# KiCad board Encoder_I2C_AS5600_Panel.kicad_pcb (continued)
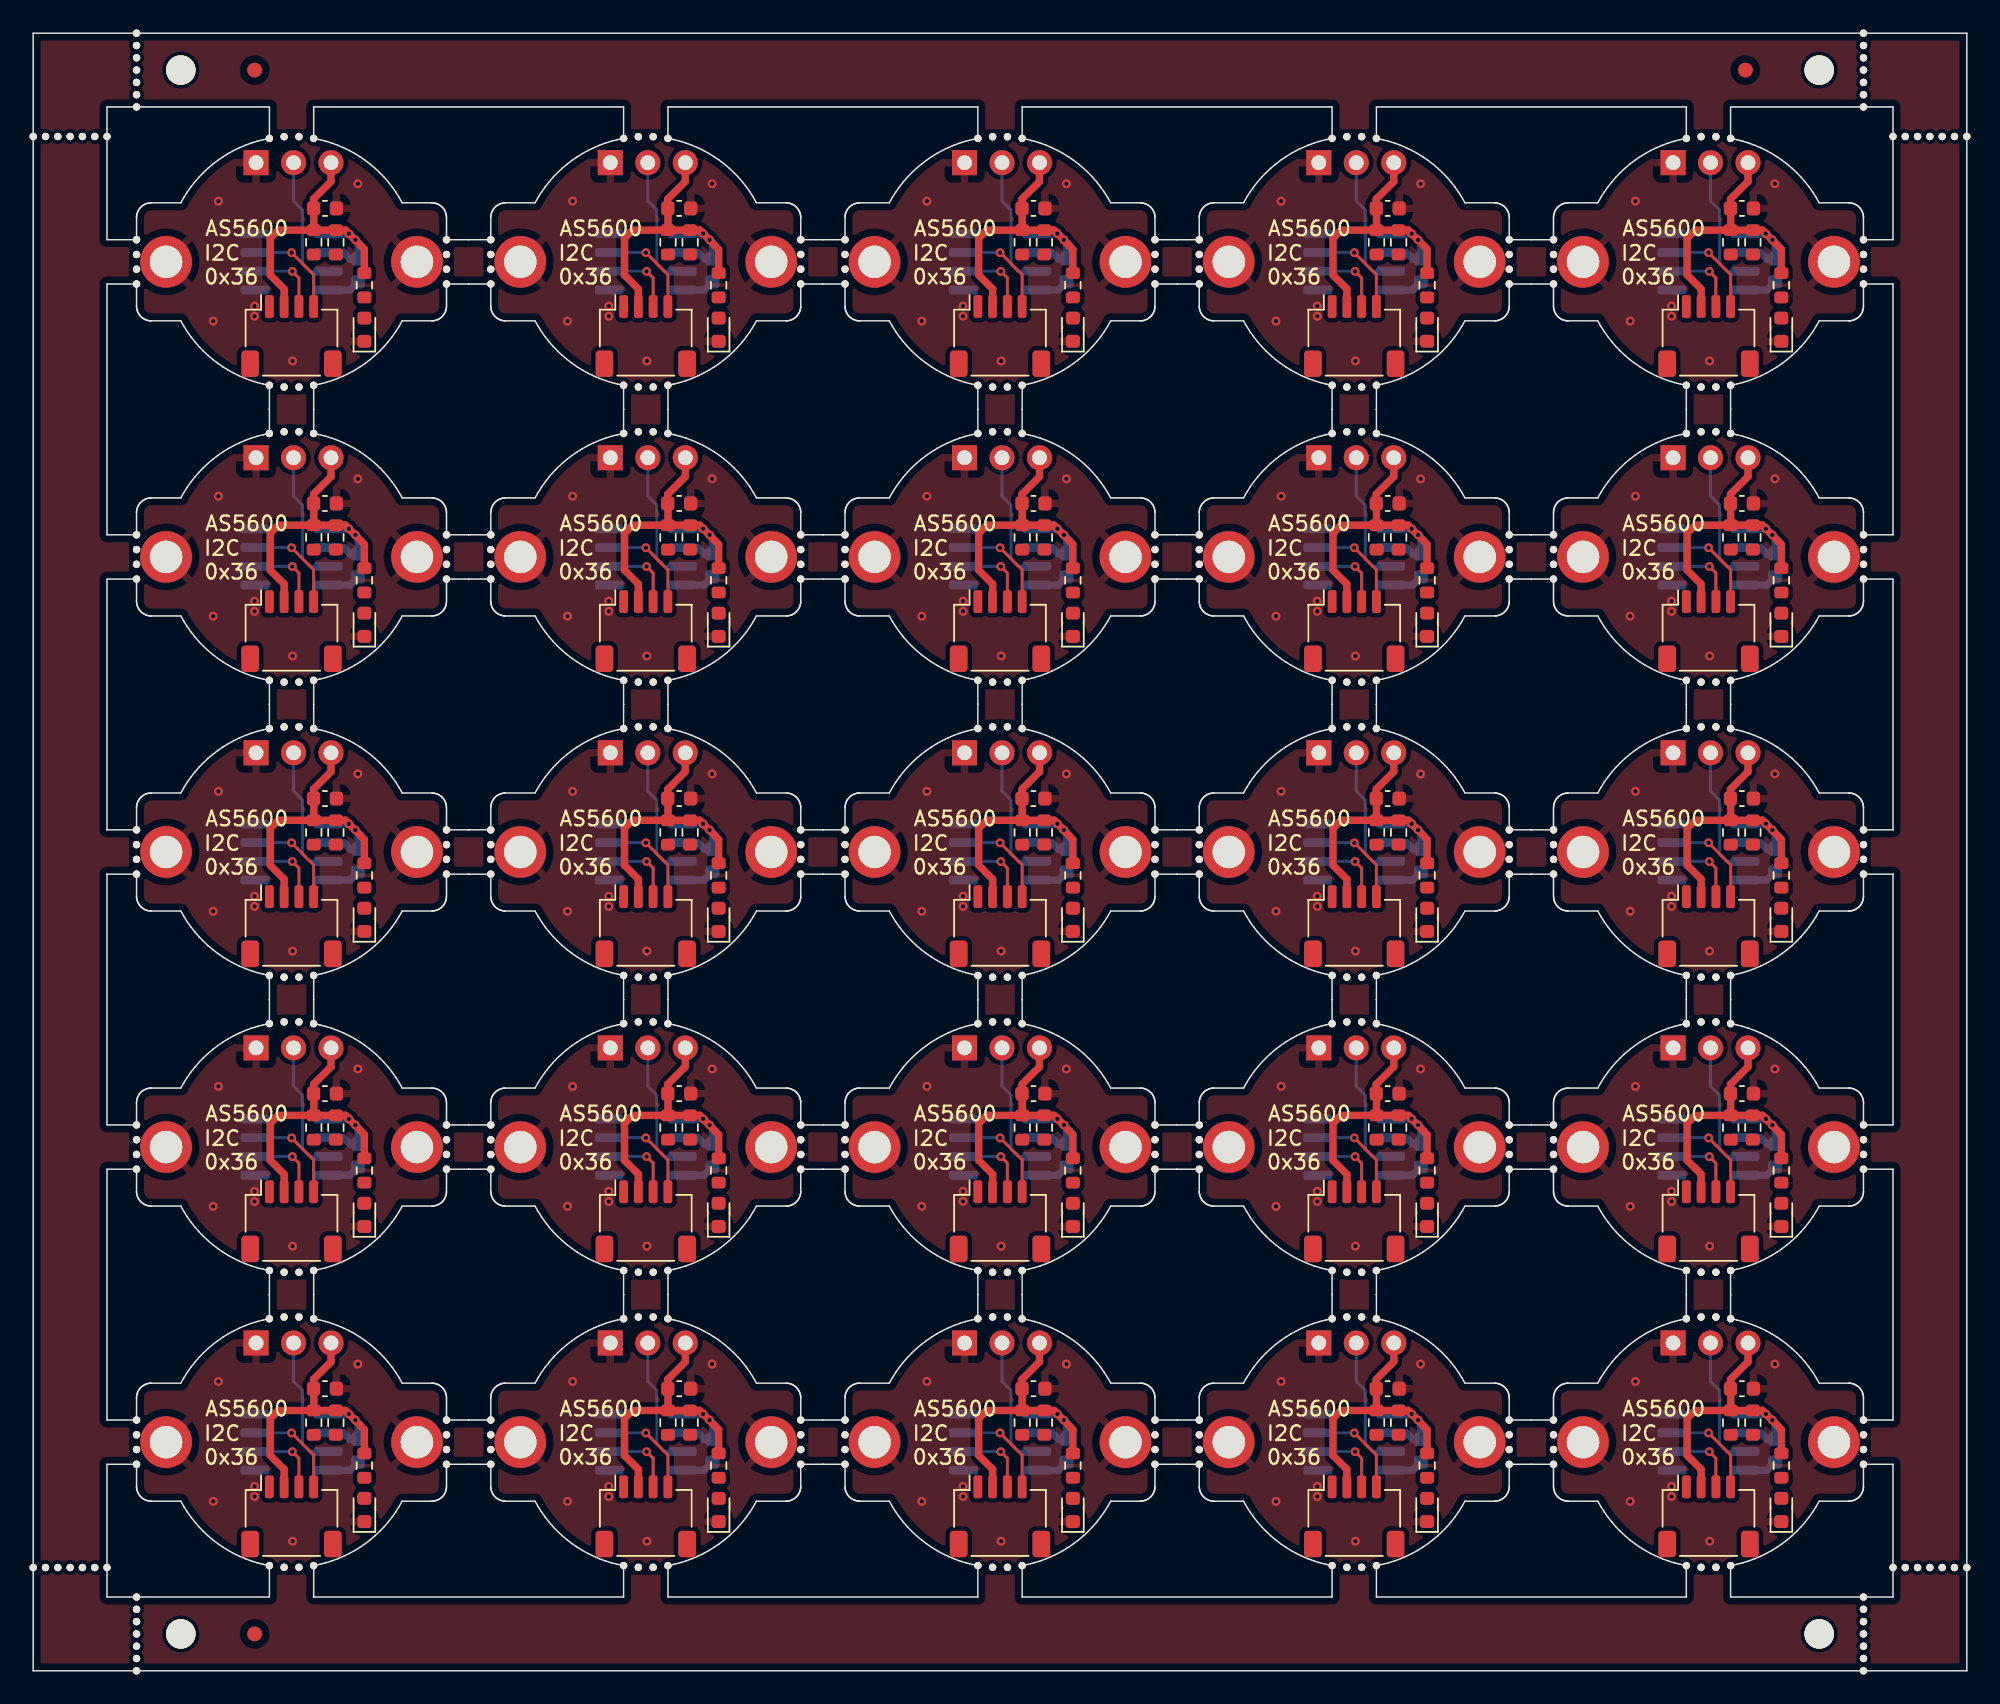
[diagram p0: board, top side]
## Placement (name value [footprint] x y rotation side) (continued)
KiKit_MB_32_3  -  [NPTH]  65 67.01 0 top
KiKit_MB_32_4  -  [NPTH]  64 67.13 0 top
KiKit_MB_33_1  -  [NPTH]  79 74 0 top
KiKit_MB_33_2  -  [NPTH]  79 75 0 top
KiKit_MB_33_3  -  [NPTH]  79 76 0 top
KiKit_MB_33_4  -  [NPTH]  79 77 0 top
KiKit_MB_34_1  -  [NPTH]  100 77 0 top
KiKit_MB_34_2  -  [NPTH]  100 76 0 top
KiKit_MB_34_3  -  [NPTH]  100 75 0 top
KiKit_MB_34_4  -  [NPTH]  100 74 0 top
KiKit_MB_35_1  -  [NPTH]  88 83.86 0 top
KiKit_MB_35_2  -  [NPTH]  89 83.98 0 top
KiKit_MB_35_3  -  [NPTH]  90 83.98 0 top
KiKit_MB_35_4  -  [NPTH]  91 83.86 0 top
KiKit_MB_36_1  -  [NPTH]  91 67.13 0 top
KiKit_MB_36_2  -  [NPTH]  90 67.01 0 top
KiKit_MB_36_3  -  [NPTH]  89 67.01 0 top
KiKit_MB_36_4  -  [NPTH]  88 67.13 0 top
KiKit_MB_37_1  -  [NPTH]  103 74 0 top
KiKit_MB_37_2  -  [NPTH]  103 75 0 top
KiKit_MB_37_3  -  [NPTH]  103 76 0 top
KiKit_MB_37_4  -  [NPTH]  103 77 0 top
KiKit_MB_38_1  -  [NPTH]  124 77 0 top
KiKit_MB_38_2  -  [NPTH]  124 76 0 top
KiKit_MB_38_3  -  [NPTH]  124 75 0 top
KiKit_MB_38_4  -  [NPTH]  124 74 0 top
KiKit_MB_39_1  -  [NPTH]  112 83.86 0 top
KiKit_MB_39_2  -  [NPTH]  113 83.98 0 top
KiKit_MB_39_3  -  [NPTH]  114 83.98 0 top
KiKit_MB_39_4  -  [NPTH]  115 83.86 0 top
KiKit_MB_40_1  -  [NPTH]  115 67.13 0 top
KiKit_MB_40_2  -  [NPTH]  114 67.01 0 top
KiKit_MB_40_3  -  [NPTH]  113 67.01 0 top
KiKit_MB_40_4  -  [NPTH]  112 67.13 0 top
KiKit_MB_41_1  -  [NPTH]  7 54 0 top
KiKit_MB_41_2  -  [NPTH]  7 55 0 top
KiKit_MB_41_3  -  [NPTH]  7 56 0 top
KiKit_MB_41_4  -  [NPTH]  7 57 0 top
KiKit_MB_42_1  -  [NPTH]  28 57 0 top
KiKit_MB_42_2  -  [NPTH]  28 56 0 top
KiKit_MB_42_3  -  [NPTH]  28 55 0 top
KiKit_MB_42_4  -  [NPTH]  28 54 0 top
KiKit_MB_43_1  -  [NPTH]  16 63.86 0 top
KiKit_MB_43_2  -  [NPTH]  17 63.98 0 top
KiKit_MB_43_3  -  [NPTH]  18 63.98 0 top
KiKit_MB_43_4  -  [NPTH]  19 63.86 0 top
KiKit_MB_44_1  -  [NPTH]  19 47.13 0 top
KiKit_MB_44_2  -  [NPTH]  18 47.01 0 top
KiKit_MB_44_3  -  [NPTH]  17 47.01 0 top
KiKit_MB_44_4  -  [NPTH]  16 47.13 0 top
KiKit_MB_45_1  -  [NPTH]  31 54 0 top
KiKit_MB_45_2  -  [NPTH]  31 55 0 top
KiKit_MB_45_3  -  [NPTH]  31 56 0 top
KiKit_MB_45_4  -  [NPTH]  31 57 0 top
KiKit_MB_46_1  -  [NPTH]  52 57 0 top
KiKit_MB_46_2  -  [NPTH]  52 56 0 top
KiKit_MB_46_3  -  [NPTH]  52 55 0 top
KiKit_MB_46_4  -  [NPTH]  52 54 0 top
KiKit_MB_47_1  -  [NPTH]  40 63.86 0 top
KiKit_MB_47_2  -  [NPTH]  41 63.98 0 top
KiKit_MB_47_3  -  [NPTH]  42 63.98 0 top
KiKit_MB_47_4  -  [NPTH]  43 63.86 0 top
KiKit_MB_48_1  -  [NPTH]  43 47.13 0 top
KiKit_MB_48_2  -  [NPTH]  42 47.01 0 top
KiKit_MB_48_3  -  [NPTH]  41 47.01 0 top
KiKit_MB_48_4  -  [NPTH]  40 47.13 0 top
KiKit_MB_49_1  -  [NPTH]  55 54 0 top
KiKit_MB_49_2  -  [NPTH]  55 55 0 top
KiKit_MB_49_3  -  [NPTH]  55 56 0 top
KiKit_MB_49_4  -  [NPTH]  55 57 0 top
KiKit_MB_50_1  -  [NPTH]  76 57 0 top
KiKit_MB_50_2  -  [NPTH]  76 56 0 top
KiKit_MB_50_3  -  [NPTH]  76 55 0 top
KiKit_MB_50_4  -  [NPTH]  76 54 0 top
KiKit_MB_51_1  -  [NPTH]  64 63.86 0 top
KiKit_MB_51_2  -  [NPTH]  65 63.98 0 top
KiKit_MB_51_3  -  [NPTH]  66 63.98 0 top
KiKit_MB_51_4  -  [NPTH]  67 63.86 0 top
KiKit_MB_52_1  -  [NPTH]  67 47.13 0 top
KiKit_MB_52_2  -  [NPTH]  66 47.01 0 top
KiKit_MB_52_3  -  [NPTH]  65 47.01 0 top
KiKit_MB_52_4  -  [NPTH]  64 47.13 0 top
KiKit_MB_53_1  -  [NPTH]  79 54 0 top
KiKit_MB_53_2  -  [NPTH]  79 55 0 top
KiKit_MB_53_3  -  [NPTH]  79 56 0 top
KiKit_MB_53_4  -  [NPTH]  79 57 0 top
KiKit_MB_54_1  -  [NPTH]  100 57 0 top
KiKit_MB_54_2  -  [NPTH]  100 56 0 top
KiKit_MB_54_3  -  [NPTH]  100 55 0 top
KiKit_MB_54_4  -  [NPTH]  100 54 0 top
KiKit_MB_55_1  -  [NPTH]  88 63.86 0 top
KiKit_MB_55_2  -  [NPTH]  89 63.98 0 top
KiKit_MB_55_3  -  [NPTH]  90 63.98 0 top
KiKit_MB_55_4  -  [NPTH]  91 63.86 0 top
KiKit_MB_56_1  -  [NPTH]  91 47.13 0 top
KiKit_MB_56_2  -  [NPTH]  90 47.01 0 top
KiKit_MB_56_3  -  [NPTH]  89 47.01 0 top
KiKit_MB_56_4  -  [NPTH]  88 47.13 0 top
KiKit_MB_57_1  -  [NPTH]  103 54 0 top
KiKit_MB_57_2  -  [NPTH]  103 55 0 top
KiKit_MB_57_3  -  [NPTH]  103 56 0 top
KiKit_MB_57_4  -  [NPTH]  103 57 0 top
KiKit_MB_58_1  -  [NPTH]  124 57 0 top
KiKit_MB_58_2  -  [NPTH]  124 56 0 top
KiKit_MB_58_3  -  [NPTH]  124 55 0 top
KiKit_MB_58_4  -  [NPTH]  124 54 0 top
KiKit_MB_59_1  -  [NPTH]  112 63.86 0 top
KiKit_MB_59_2  -  [NPTH]  113 63.98 0 top
KiKit_MB_59_3  -  [NPTH]  114 63.98 0 top
KiKit_MB_59_4  -  [NPTH]  115 63.86 0 top
KiKit_MB_60_1  -  [NPTH]  115 47.13 0 top
KiKit_MB_60_2  -  [NPTH]  114 47.01 0 top
KiKit_MB_60_3  -  [NPTH]  113 47.01 0 top
KiKit_MB_60_4  -  [NPTH]  112 47.13 0 top
KiKit_MB_61_1  -  [NPTH]  7 34 0 top
KiKit_MB_61_2  -  [NPTH]  7 35 0 top
KiKit_MB_61_3  -  [NPTH]  7 36 0 top
KiKit_MB_61_4  -  [NPTH]  7 37 0 top
KiKit_MB_62_1  -  [NPTH]  28 37 0 top
KiKit_MB_62_2  -  [NPTH]  28 36 0 top
KiKit_MB_62_3  -  [NPTH]  28 35 0 top
KiKit_MB_62_4  -  [NPTH]  28 34 0 top
KiKit_MB_63_1  -  [NPTH]  16 43.86 0 top
KiKit_MB_63_2  -  [NPTH]  17 43.98 0 top
KiKit_MB_63_3  -  [NPTH]  18 43.98 0 top
KiKit_MB_63_4  -  [NPTH]  19 43.86 0 top
KiKit_MB_64_1  -  [NPTH]  19 27.13 0 top
KiKit_MB_64_2  -  [NPTH]  18 27.01 0 top
KiKit_MB_64_3  -  [NPTH]  17 27.01 0 top
KiKit_MB_64_4  -  [NPTH]  16 27.13 0 top
KiKit_MB_65_1  -  [NPTH]  31 34 0 top
KiKit_MB_65_2  -  [NPTH]  31 35 0 top
KiKit_MB_65_3  -  [NPTH]  31 36 0 top
KiKit_MB_65_4  -  [NPTH]  31 37 0 top
KiKit_MB_66_1  -  [NPTH]  52 37 0 top
KiKit_MB_66_2  -  [NPTH]  52 36 0 top
KiKit_MB_66_3  -  [NPTH]  52 35 0 top
KiKit_MB_66_4  -  [NPTH]  52 34 0 top
KiKit_MB_67_1  -  [NPTH]  40 43.86 0 top
KiKit_MB_67_2  -  [NPTH]  41 43.98 0 top
KiKit_MB_67_3  -  [NPTH]  42 43.98 0 top
KiKit_MB_67_4  -  [NPTH]  43 43.86 0 top
KiKit_MB_68_1  -  [NPTH]  43 27.13 0 top
KiKit_MB_68_2  -  [NPTH]  42 27.01 0 top
KiKit_MB_68_3  -  [NPTH]  41 27.01 0 top
KiKit_MB_68_4  -  [NPTH]  40 27.13 0 top
KiKit_MB_69_1  -  [NPTH]  55 34 0 top
KiKit_MB_69_2  -  [NPTH]  55 35 0 top
KiKit_MB_69_3  -  [NPTH]  55 36 0 top
KiKit_MB_69_4  -  [NPTH]  55 37 0 top
KiKit_MB_70_1  -  [NPTH]  76 37 0 top
KiKit_MB_70_2  -  [NPTH]  76 36 0 top
KiKit_MB_70_3  -  [NPTH]  76 35 0 top
KiKit_MB_70_4  -  [NPTH]  76 34 0 top
KiKit_MB_71_1  -  [NPTH]  64 43.86 0 top
KiKit_MB_71_2  -  [NPTH]  65 43.98 0 top
KiKit_MB_71_3  -  [NPTH]  66 43.98 0 top
KiKit_MB_71_4  -  [NPTH]  67 43.86 0 top
KiKit_MB_72_1  -  [NPTH]  67 27.13 0 top
KiKit_MB_72_2  -  [NPTH]  66 27.01 0 top
KiKit_MB_72_3  -  [NPTH]  65 27.01 0 top
KiKit_MB_72_4  -  [NPTH]  64 27.13 0 top
KiKit_MB_73_1  -  [NPTH]  79 34 0 top
KiKit_MB_73_2  -  [NPTH]  79 35 0 top
KiKit_MB_73_3  -  [NPTH]  79 36 0 top
KiKit_MB_73_4  -  [NPTH]  79 37 0 top
KiKit_MB_74_1  -  [NPTH]  100 37 0 top
KiKit_MB_74_2  -  [NPTH]  100 36 0 top
KiKit_MB_74_3  -  [NPTH]  100 35 0 top
KiKit_MB_74_4  -  [NPTH]  100 34 0 top
KiKit_MB_75_1  -  [NPTH]  88 43.86 0 top
KiKit_MB_75_2  -  [NPTH]  89 43.98 0 top
KiKit_MB_75_3  -  [NPTH]  90 43.98 0 top
KiKit_MB_75_4  -  [NPTH]  91 43.86 0 top
KiKit_MB_76_1  -  [NPTH]  91 27.13 0 top
KiKit_MB_76_2  -  [NPTH]  90 27.01 0 top
KiKit_MB_76_3  -  [NPTH]  89 27.01 0 top
KiKit_MB_76_4  -  [NPTH]  88 27.13 0 top
KiKit_MB_77_1  -  [NPTH]  103 34 0 top
KiKit_MB_77_2  -  [NPTH]  103 35 0 top
KiKit_MB_77_3  -  [NPTH]  103 36 0 top
KiKit_MB_77_4  -  [NPTH]  103 37 0 top
KiKit_MB_78_1  -  [NPTH]  124 37 0 top
KiKit_MB_78_2  -  [NPTH]  124 36 0 top
KiKit_MB_78_3  -  [NPTH]  124 35 0 top
KiKit_MB_78_4  -  [NPTH]  124 34 0 top
KiKit_MB_79_1  -  [NPTH]  112 43.86 0 top
KiKit_MB_79_2  -  [NPTH]  113 43.98 0 top
KiKit_MB_79_3  -  [NPTH]  114 43.98 0 top
KiKit_MB_79_4  -  [NPTH]  115 43.86 0 top
KiKit_MB_80_1  -  [NPTH]  115 27.13 0 top
KiKit_MB_80_2  -  [NPTH]  114 27.01 0 top
KiKit_MB_80_3  -  [NPTH]  113 27.01 0 top
KiKit_MB_80_4  -  [NPTH]  112 27.13 0 top
KiKit_MB_81_1  -  [NPTH]  7 14 0 top
KiKit_MB_81_2  -  [NPTH]  7 15 0 top
KiKit_MB_81_3  -  [NPTH]  7 16 0 top
KiKit_MB_81_4  -  [NPTH]  7 17 0 top
KiKit_MB_82_1  -  [NPTH]  28 17 0 top
KiKit_MB_82_2  -  [NPTH]  28 16 0 top
KiKit_MB_82_3  -  [NPTH]  28 15 0 top
KiKit_MB_82_4  -  [NPTH]  28 14 0 top
KiKit_MB_83_1  -  [NPTH]  16 23.86 0 top
KiKit_MB_83_2  -  [NPTH]  17 23.98 0 top
KiKit_MB_83_3  -  [NPTH]  18 23.98 0 top
KiKit_MB_83_4  -  [NPTH]  19 23.86 0 top
KiKit_MB_84_1  -  [NPTH]  19 7.13 0 top
KiKit_MB_84_2  -  [NPTH]  18 7.01 0 top
KiKit_MB_84_3  -  [NPTH]  17 7.01 0 top
KiKit_MB_84_4  -  [NPTH]  16 7.13 0 top
KiKit_MB_85_1  -  [NPTH]  31 14 0 top
KiKit_MB_85_2  -  [NPTH]  31 15 0 top
KiKit_MB_85_3  -  [NPTH]  31 16 0 top
KiKit_MB_85_4  -  [NPTH]  31 17 0 top
KiKit_MB_86_1  -  [NPTH]  52 17 0 top
KiKit_MB_86_2  -  [NPTH]  52 16 0 top
KiKit_MB_86_3  -  [NPTH]  52 15 0 top
KiKit_MB_86_4  -  [NPTH]  52 14 0 top
KiKit_MB_87_1  -  [NPTH]  40 23.86 0 top
KiKit_MB_87_2  -  [NPTH]  41 23.98 0 top
KiKit_MB_87_3  -  [NPTH]  42 23.98 0 top
KiKit_MB_87_4  -  [NPTH]  43 23.86 0 top
KiKit_MB_88_1  -  [NPTH]  43 7.13 0 top
KiKit_MB_88_2  -  [NPTH]  42 7.01 0 top
KiKit_MB_88_3  -  [NPTH]  41 7.01 0 top
KiKit_MB_88_4  -  [NPTH]  40 7.13 0 top
KiKit_MB_89_1  -  [NPTH]  55 14 0 top
KiKit_MB_89_2  -  [NPTH]  55 15 0 top
KiKit_MB_89_3  -  [NPTH]  55 16 0 top
KiKit_MB_89_4  -  [NPTH]  55 17 0 top
KiKit_MB_90_1  -  [NPTH]  76 17 0 top
KiKit_MB_90_2  -  [NPTH]  76 16 0 top
KiKit_MB_90_3  -  [NPTH]  76 15 0 top
KiKit_MB_90_4  -  [NPTH]  76 14 0 top
KiKit_MB_91_1  -  [NPTH]  64 23.86 0 top
KiKit_MB_91_2  -  [NPTH]  65 23.98 0 top
KiKit_MB_91_3  -  [NPTH]  66 23.98 0 top
KiKit_MB_91_4  -  [NPTH]  67 23.86 0 top
KiKit_MB_92_1  -  [NPTH]  67 7.13 0 top
KiKit_MB_92_2  -  [NPTH]  66 7.01 0 top
KiKit_MB_92_3  -  [NPTH]  65 7.01 0 top
KiKit_MB_92_4  -  [NPTH]  64 7.13 0 top
KiKit_MB_93_1  -  [NPTH]  79 14 0 top
KiKit_MB_93_2  -  [NPTH]  79 15 0 top
KiKit_MB_93_3  -  [NPTH]  79 16 0 top
KiKit_MB_93_4  -  [NPTH]  79 17 0 top
KiKit_MB_94_1  -  [NPTH]  100 17 0 top
KiKit_MB_94_2  -  [NPTH]  100 16 0 top
KiKit_MB_94_3  -  [NPTH]  100 15 0 top
KiKit_MB_94_4  -  [NPTH]  100 14 0 top
KiKit_MB_95_1  -  [NPTH]  88 23.86 0 top
KiKit_MB_95_2  -  [NPTH]  89 23.98 0 top
KiKit_MB_95_3  -  [NPTH]  90 23.98 0 top
KiKit_MB_95_4  -  [NPTH]  91 23.86 0 top
KiKit_MB_96_1  -  [NPTH]  91 7.13 0 top
KiKit_MB_96_2  -  [NPTH]  90 7.01 0 top
KiKit_MB_96_3  -  [NPTH]  89 7.01 0 top
KiKit_MB_96_4  -  [NPTH]  88 7.13 0 top
KiKit_MB_97_1  -  [NPTH]  103 14 0 top
KiKit_MB_97_2  -  [NPTH]  103 15 0 top
KiKit_MB_97_3  -  [NPTH]  103 16 0 top
KiKit_MB_97_4  -  [NPTH]  103 17 0 top
KiKit_MB_98_1  -  [NPTH]  124 17 0 top
KiKit_MB_98_2  -  [NPTH]  124 16 0 top
KiKit_MB_98_3  -  [NPTH]  124 15 0 top
KiKit_MB_98_4  -  [NPTH]  124 14 0 top
KiKit_MB_99_1  -  [NPTH]  112 23.86 0 top
KiKit_MB_99_2  -  [NPTH]  113 23.98 0 top
KiKit_MB_99_3  -  [NPTH]  114 23.98 0 top
KiKit_MB_99_4  -  [NPTH]  115 23.86 0 top
KiKit_MB_100_1  -  [NPTH]  115 7.13 0 top
KiKit_MB_100_2  -  [NPTH]  114 7.01 0 top
KiKit_MB_100_3  -  [NPTH]  113 7.01 0 top
KiKit_MB_100_4  -  [NPTH]  112 7.13 0 top
KiKit_MB_101_1  -  [NPTH]  7 110.99 0 top
KiKit_MB_101_2  -  [NPTH]  7 110.16 0 top
KiKit_MB_101_3  -  [NPTH]  7 109.33 0 top
KiKit_MB_101_4  -  [NPTH]  7 108.49 0 top
KiKit_MB_101_5  -  [NPTH]  7 107.66 0 top
KiKit_MB_101_6  -  [NPTH]  7 106.83 0 top
KiKit_MB_101_7  -  [NPTH]  7 105.99 0 top
KiKit_MB_102_1  -  [NPTH]  124 110.99 0 top
KiKit_MB_102_2  -  [NPTH]  124 110.16 0 top
KiKit_MB_102_3  -  [NPTH]  124 109.33 0 top
KiKit_MB_102_4  -  [NPTH]  124 108.49 0 top
KiKit_MB_102_5  -  [NPTH]  124 107.66 0 top
KiKit_MB_102_6  -  [NPTH]  124 106.83 0 top
KiKit_MB_102_7  -  [NPTH]  124 105.99 0 top
KiKit_MB_103_1  -  [NPTH]  7 5 0 top
KiKit_MB_103_2  -  [NPTH]  7 4.17 0 top
KiKit_MB_103_3  -  [NPTH]  7 3.33 0 top
KiKit_MB_103_4  -  [NPTH]  7 2.5 0 top
KiKit_MB_103_5  -  [NPTH]  7 1.67 0 top
KiKit_MB_103_6  -  [NPTH]  7 0.83 0 top
KiKit_MB_103_7  -  [NPTH]  7 0 0 top
KiKit_MB_104_1  -  [NPTH]  124 5 0 top
KiKit_MB_104_2  -  [NPTH]  124 4.17 0 top
KiKit_MB_104_3  -  [NPTH]  124 3.33 0 top
KiKit_MB_104_4  -  [NPTH]  124 2.5 0 top
KiKit_MB_104_5  -  [NPTH]  124 1.67 0 top
KiKit_MB_104_6  -  [NPTH]  124 0.83 0 top
KiKit_MB_104_7  -  [NPTH]  124 0 0 top
KiKit_MB_105_1  -  [NPTH]  0 103.99 0 top
KiKit_MB_105_2  -  [NPTH]  0.83 103.99 0 top
KiKit_MB_105_3  -  [NPTH]  1.67 103.99 0 top
KiKit_MB_105_4  -  [NPTH]  2.5 103.99 0 top
KiKit_MB_105_5  -  [NPTH]  3.33 103.99 0 top
KiKit_MB_105_6  -  [NPTH]  4.17 103.99 0 top
KiKit_MB_105_7  -  [NPTH]  5 103.99 0 top
KiKit_MB_106_1  -  [NPTH]  0 7 0 top
KiKit_MB_106_2  -  [NPTH]  0.83 7 0 top
KiKit_MB_106_3  -  [NPTH]  1.67 7 0 top
KiKit_MB_106_4  -  [NPTH]  2.5 7 0 top
KiKit_MB_106_5  -  [NPTH]  3.33 7 0 top
KiKit_MB_106_6  -  [NPTH]  4.17 7 0 top
KiKit_MB_106_7  -  [NPTH]  5 7 0 top
KiKit_MB_107_1  -  [NPTH]  126 103.99 0 top
KiKit_MB_107_2  -  [NPTH]  126.83 103.99 0 top
KiKit_MB_107_3  -  [NPTH]  127.67 103.99 0 top
KiKit_MB_107_4  -  [NPTH]  128.5 103.99 0 top
KiKit_MB_107_5  -  [NPTH]  129.33 103.99 0 top
KiKit_MB_107_6  -  [NPTH]  130.17 103.99 0 top
KiKit_MB_107_7  -  [NPTH]  131 103.99 0 top
KiKit_MB_108_1  -  [NPTH]  126 7 0 top
KiKit_MB_108_2  -  [NPTH]  126.83 7 0 top
KiKit_MB_108_3  -  [NPTH]  127.67 7 0 top
KiKit_MB_108_4  -  [NPTH]  128.5 7 0 top
KiKit_MB_108_5  -  [NPTH]  129.33 7 0 top
KiKit_MB_108_6  -  [NPTH]  130.17 7 0 top
KiKit_MB_108_7  -  [NPTH]  131 7 0 top
KiKit_TO_1  -  [NPTH#2]  10 108.49 0 top
KiKit_TO_2  -  [NPTH#2]  121 108.49 0 top
KiKit_TO_3  -  [NPTH#2]  10 2.5 0 top
KiKit_TO_4  -  [NPTH#2]  121 2.5 0 top
R1  2k2  [R_0603_1608Metric]  22.44 93.91 270 top
R1#2  2k2  [R_0603_1608Metric]  70.44 13.91 270 top
R1#3  2k2  [R_0603_1608Metric]  70.44 53.91 270 top
R1#4  2k2  [R_0603_1608Metric]  118.44 13.91 270 top
R1#5  2k2  [R_0603_1608Metric]  94.44 73.91 270 top
R1#6  2k2  [R_0603_1608Metric]  46.44 33.91 270 top
R1#7  2k2  [R_0603_1608Metric]  46.44 53.91 270 top
R1#8  2k2  [R_0603_1608Metric]  22.44 33.91 270 top
R1#9  2k2  [R_0603_1608Metric]  94.44 33.91 270 top
R1#10  2k2  [R_0603_1608Metric]  22.44 53.91 270 top
R1#11  2k2  [R_0603_1608Metric]  22.44 13.91 270 top
R1#12  2k2  [R_0603_1608Metric]  70.44 73.91 270 top
R1#13  2k2  [R_0603_1608Metric]  46.44 73.91 270 top
R1#14  2k2  [R_0603_1608Metric]  118.44 33.91 270 top
R1#15  2k2  [R_0603_1608Metric]  70.44 93.91 270 top
R1#16  2k2  [R_0603_1608Metric]  46.44 13.91 270 top
R1#17  2k2  [R_0603_1608Metric]  118.44 93.91 270 top
R1#18  2k2  [R_0603_1608Metric]  94.44 53.91 270 top
R1#19  2k2  [R_0603_1608Metric]  22.44 73.91 270 top
R1#20  2k2  [R_0603_1608Metric]  46.44 93.91 270 top
R1#21  2k2  [R_0603_1608Metric]  94.44 93.91 270 top
R1#22  2k2  [R_0603_1608Metric]  70.44 33.91 270 top
R1#23  2k2  [R_0603_1608Metric]  94.44 13.91 270 top
R1#24  2k2  [R_0603_1608Metric]  118.44 53.91 270 top
R1#25  2k2  [R_0603_1608Metric]  118.44 73.91 270 top
R2  5k1  [R_0603_1608Metric]  68.51 56.82 270 top
R2#2  5k1  [R_0603_1608Metric]  116.51 96.82 270 top
R2#3  5k1  [R_0603_1608Metric]  20.51 56.82 270 top
R2#4  5k1  [R_0603_1608Metric]  44.51 16.82 270 top
R2#5  5k1  [R_0603_1608Metric]  92.51 96.82 270 top
R2#6  5k1  [R_0603_1608Metric]  92.51 16.82 270 top
R2#7  5k1  [R_0603_1608Metric]  20.51 16.82 270 top
R2#8  5k1  [R_0603_1608Metric]  20.51 96.82 270 top
R2#9  5k1  [R_0603_1608Metric]  116.51 16.82 270 top
R2#10  5k1  [R_0603_1608Metric]  44.51 36.82 270 top
R2#11  5k1  [R_0603_1608Metric]  92.51 76.82 270 top
R2#12  5k1  [R_0603_1608Metric]  92.51 56.82 270 top
R2#13  5k1  [R_0603_1608Metric]  68.51 76.82 270 top
R2#14  5k1  [R_0603_1608Metric]  116.51 56.82 270 top
R2#15  5k1  [R_0603_1608Metric]  20.51 76.82 270 top
R2#16  5k1  [R_0603_1608Metric]  116.51 76.82 270 top
R2#17  5k1  [R_0603_1608Metric]  68.51 96.82 270 top
R2#18  5k1  [R_0603_1608Metric]  44.51 76.82 270 top
R2#19  5k1  [R_0603_1608Metric]  68.51 36.82 270 top
R2#20  5k1  [R_0603_1608Metric]  20.51 36.82 270 top
R2#21  5k1  [R_0603_1608Metric]  92.51 36.82 270 top
R2#22  5k1  [R_0603_1608Metric]  44.51 56.82 270 top
R2#23  5k1  [R_0603_1608Metric]  116.51 36.82 270 top
R2#24  5k1  [R_0603_1608Metric]  44.51 96.82 270 top
R2#25  5k1  [R_0603_1608Metric]  68.51 16.82 270 top
R3  5k1  [R_0603_1608Metric]  19.01 36.82 270 top
R3#2  5k1  [R_0603_1608Metric]  91.01 76.82 270 top
R3#3  5k1  [R_0603_1608Metric]  115.01 16.82 270 top
R3#4  5k1  [R_0603_1608Metric]  43.01 16.82 270 top
R3#5  5k1  [R_0603_1608Metric]  67.01 16.82 270 top
R3#6  5k1  [R_0603_1608Metric]  19.01 56.82 270 top
R3#7  5k1  [R_0603_1608Metric]  115.01 96.82 270 top
R3#8  5k1  [R_0603_1608Metric]  19.01 96.82 270 top
R3#9  5k1  [R_0603_1608Metric]  67.01 76.82 270 top
R3#10  5k1  [R_0603_1608Metric]  91.01 56.82 270 top
R3#11  5k1  [R_0603_1608Metric]  115.01 56.82 270 top
R3#12  5k1  [R_0603_1608Metric]  91.01 96.82 270 top
R3#13  5k1  [R_0603_1608Metric]  43.01 36.82 270 top
R3#14  5k1  [R_0603_1608Metric]  19.01 76.82 270 top
R3#15  5k1  [R_0603_1608Metric]  43.01 56.82 270 top
R3#16  5k1  [R_0603_1608Metric]  67.01 56.82 270 top
R3#17  5k1  [R_0603_1608Metric]  43.01 76.82 270 top
R3#18  5k1  [R_0603_1608Metric]  115.01 76.82 270 top
R3#19  5k1  [R_0603_1608Metric]  115.01 36.82 270 top
R3#20  5k1  [R_0603_1608Metric]  91.01 36.82 270 top
R3#21  5k1  [R_0603_1608Metric]  91.01 16.82 270 top
R3#22  5k1  [R_0603_1608Metric]  67.01 36.82 270 top
R3#23  5k1  [R_0603_1608Metric]  43.01 96.82 270 top
R3#24  5k1  [R_0603_1608Metric]  67.01 96.82 270 top
R3#25  5k1  [R_0603_1608Metric]  19.01 16.82 270 top

## Library data of the parts
C1 C1#2-C1#25 C2 C2#2-C2#25 = -: Description: Unpolarized capacitor, small symbol
D1 D1#2-D1#25 = -: Description: Light emitting diode, small symbol
H1 H1#2-H1#25 H2 H2#2-H2#25 = -: Description: Mounting Hole with connection
IC1 IC1#2-IC1#25 = -: Description: Board Mount Motion & Position Sensors AS5600L-ASOM SOIC8 LF T&RDP; Height: 1.75; Manu: ams OSRAM; Part: AS5600L-ASOM
J1 J1#2-J1#25 = -: Manu: JST; Part: SH_SM04B-SRSS-TB_1x04-1MP; Port: Stemma/QT
J3 J3#2-J3#25 = -: Description: Generic connector, single row, 01x03, script generated (kicad-library-utils/schlib/autogen/connector/)
R1 R1#2-R1#25 R2 R2#2-R2#25 R3 R3#2-R3#25 = -: Description: Resistor, small symbol

## Footprints (pads in the part's own frame, mm; a bottom-side part is the same pattern mirrored in y, then rotated)
C_0603_1608Metric
  rrect 0.9x0.95 smd: 1(-0.775,0) 2(0.775,0)
Fiducial
  round 1 smd: (0,0)
JST_SH_SM04B-SRSS-TB_1x04-1MP_P1.00mm_Horizontal
  rrect 0.6x1.55 smd: 1(-1.5,2) 2(-0.5,2) 3(0.5,2) 4(1.5,2)
  rrect 1.2x1.8 smd: MP(-2.8,-1.875) MP(2.8,-1.875)
LED_0603_1608Metric
  rrect 0.875x0.95 smd: 1(-0.787,0) 2(0.787,0)
MountingHole_2.2mm_M2_ISO7380_Pad
  round 3.5 hole 2.2: 1(0,0)
NPTH
  round 0.5 hole 0.5 unplated: (0,0)
NPTH#2
  round 2 hole 2 unplated: (0,0)
PinHeader_1x03_P2.54mm_Vertical
  rect 1.7x1.7 hole 1: 1(0,0)
  oval 1.7x1.7 hole 1: 2(0,-2.54) 3(0,-5.08)
R_0603_1608Metric
  rrect 0.8x0.95 smd: 1(-0.825,0) 2(0.825,0)
SOIC-8_3.9x4.9mm_P1.27mm
  rrect 1.95x0.6 smd: 1(-2.475,1.905) 2(-2.475,0.635) 3(-2.475,-0.635) 4(-2.475,-1.905) 5(2.475,-1.905) 6(2.475,-0.635) 7(2.475,0.635) 8(2.475,1.905)

## Nets
Board_0-/OUT: IC1#3.3 J3#25.2
Board_0-/SCL: IC1#3.7 J1#8.4 R3#8.2
Board_0-/SDA: IC1#3.6 J1#8.3 R2#8.2
Board_0-GND: C1#17.2 C2#9.1 D1#20.1 H1#2.1 H2#15.1 IC1#3.4 IC1#3.8 J3#25.1
Board_0-Net-(D1-A): D1#20.2 R1.2
Board_0-unconnected-(IC1-PGO-Pad5): IC1#3.5
Board_0-unconnected-(J1-Pin_1-Pad1): J1#8.1
Board_0-VDD: C1#17.1 C2#9.2 IC1#3.1 IC1#3.2 J1#8.2 J3#25.3 R1.1 R2#8.1 R3#8.1
Board_1-/OUT: IC1#20.3 J3#2.2
Board_1-/SCL: IC1#20.7 J1.4 R3#23.2
Board_1-/SDA: IC1#20.6 J1.3 R2#24.2
Board_1-GND: C1#18.2 C2#6.1 D1#3.1 H1#25.1 H2#12.1 IC1#20.4 IC1#20.8 J3#2.1
Board_1-Net-(D1-A): D1#3.2 R1#20.2
Board_1-unconnected-(IC1-PGO-Pad5): IC1#20.5
Board_1-unconnected-(J1-Pin_1-Pad1): J1.1
Board_1-VDD: C1#18.1 C2#6.2 IC1#20.1 IC1#20.2 J1.2 J3#2.3 R1#20.1 R2#24.1 R3#23.1
Board_2-/OUT: IC1#2.3 J3#13.2
Board_2-/SCL: IC1#2.7 J1#19.4 R3#24.2
Board_2-/SDA: IC1#2.6 J1#19.3 R2#17.2
Board_2-GND: C1#11.2 C2#23.1 D1#13.1 H1#13.1 H2#3.1 IC1#2.4 IC1#2.8 J3#13.1
Board_2-Net-(D1-A): D1#13.2 R1#15.2
Board_2-unconnected-(IC1-PGO-Pad5): IC1#2.5
Board_2-unconnected-(J1-Pin_1-Pad1): J1#19.1
Board_2-VDD: C1#11.1 C2#23.2 IC1#2.1 IC1#2.2 J1#19.2 J3#13.3 R1#15.1 R2#17.1 R3#24.1
Board_3-/OUT: IC1#17.3 J3.2
Board_3-/SCL: IC1#17.7 J1#9.4 R3#12.2
Board_3-/SDA: IC1#17.6 J1#9.3 R2#5.2
Board_3-GND: C1#5.2 C2#17.1 D1.1 H1#17.1 H2.1 IC1#17.4 IC1#17.8 J3.1
Board_3-Net-(D1-A): D1.2 R1#21.2
Board_3-unconnected-(IC1-PGO-Pad5): IC1#17.5
Board_3-unconnected-(J1-Pin_1-Pad1): J1#9.1
Board_3-VDD: C1#5.1 C2#17.2 IC1#17.1 IC1#17.2 J1#9.2 J3.3 R1#21.1 R2#5.1 R3#12.1
Board_4-/OUT: IC1#15.3 J3#21.2
Board_4-/SCL: IC1#15.7 J1#2.4 R3#7.2
Board_4-/SDA: IC1#15.6 J1#2.3 R2#2.2
Board_4-GND: C1.2 C2#14.1 D1#2.1 H1#8.1 H2#18.1 IC1#15.4 IC1#15.8 J3#21.1
Board_4-Net-(D1-A): D1#2.2 R1#17.2
Board_4-unconnected-(IC1-PGO-Pad5): IC1#15.5
Board_4-unconnected-(J1-Pin_1-Pad1): J1#2.1
Board_4-VDD: C1.1 C2#14.2 IC1#15.1 IC1#15.2 J1#2.2 J3#21.3 R1#17.1 R2#2.1 R3#7.1
Board_5-/OUT: IC1#10.3 J3#8.2
Board_5-/SCL: IC1#10.7 J1#10.4 R3#14.2
Board_5-/SDA: IC1#10.6 J1#10.3 R2#15.2
Board_5-GND: C1#23.2 C2#12.1 D1#19.1 H1#24.1 H2#22.1 IC1#10.4 IC1#10.8 J3#8.1
Board_5-Net-(D1-A): D1#19.2 R1#19.2
Board_5-unconnected-(IC1-PGO-Pad5): IC1#10.5
Board_5-unconnected-(J1-Pin_1-Pad1): J1#10.1
Board_5-VDD: C1#23.1 C2#12.2 IC1#10.1 IC1#10.2 J1#10.2 J3#8.3 R1#19.1 R2#15.1 R3#14.1
Board_6-/OUT: IC1#25.3 J3#19.2
Board_6-/SCL: IC1#25.7 J1#13.4 R3#17.2
Board_6-/SDA: IC1#25.6 J1#13.3 R2#18.2
Board_6-GND: C1#14.2 C2#3.1 D1#14.1 H1#6.1 H2#23.1 IC1#25.4 IC1#25.8 J3#19.1
Board_6-Net-(D1-A): D1#14.2 R1#13.2
Board_6-unconnected-(IC1-PGO-Pad5): IC1#25.5
Board_6-unconnected-(J1-Pin_1-Pad1): J1#13.1
Board_6-VDD: C1#14.1 C2#3.2 IC1#25.1 IC1#25.2 J1#13.2 J3#19.3 R1#13.1 R2#18.1 R3#17.1
Board_7-/OUT: IC1#8.3 J3#11.2
Board_7-/SCL: IC1#8.7 J1#3.4 R3#9.2
Board_7-/SDA: IC1#8.6 J1#3.3 R2#13.2
Board_7-GND: C1#8.2 C2#4.1 D1#12.1 H1#21.1 H2#24.1 IC1#8.4 IC1#8.8 J3#11.1
Board_7-Net-(D1-A): D1#12.2 R1#12.2
Board_7-unconnected-(IC1-PGO-Pad5): IC1#8.5
Board_7-unconnected-(J1-Pin_1-Pad1): J1#3.1
Board_7-VDD: C1#8.1 C2#4.2 IC1#8.1 IC1#8.2 J1#3.2 J3#11.3 R1#12.1 R2#13.1 R3#9.1
Board_8-/OUT: IC1.3 J3#9.2
Board_8-/SCL: IC1.7 J1#24.4 R3#2.2
Board_8-/SDA: IC1.6 J1#24.3 R2#11.2
Board_8-GND: C1#24.2 C2#5.1 D1#9.1 H1#16.1 H2#14.1 IC1.4 IC1.8 J3#9.1
Board_8-Net-(D1-A): D1#9.2 R1#5.2
Board_8-unconnected-(IC1-PGO-Pad5): IC1.5
Board_8-unconnected-(J1-Pin_1-Pad1): J1#24.1
Board_8-VDD: C1#24.1 C2#5.2 IC1.1 IC1.2 J1#24.2 J3#9.3 R1#5.1 R2#11.1 R3#2.1
Board_9-/OUT: IC1#13.3 J3#10.2
Board_9-/SCL: IC1#13.7 J1#5.4 R3#18.2
Board_9-/SDA: IC1#13.6 J1#5.3 R2#16.2
Board_9-GND: C1#13.2 C2#13.1 D1#11.1 H1#23.1 H2#7.1 IC1#13.4 IC1#13.8 J3#10.1
Board_9-Net-(D1-A): D1#11.2 R1#25.2
Board_9-unconnected-(IC1-PGO-Pad5): IC1#13.5
Board_9-unconnected-(J1-Pin_1-Pad1): J1#5.1
Board_9-VDD: C1#13.1 C2#13.2 IC1#13.1 IC1#13.2 J1#5.2 J3#10.3 R1#25.1 R2#16.1 R3#18.1
Board_10-/OUT: IC1#21.3 J3#18.2
Board_10-/SCL: IC1#21.7 J1#15.4 R3#6.2
Board_10-/SDA: IC1#21.6 J1#15.3 R2#3.2
Board_10-GND: C1#10.2 C2#8.1 D1#23.1 H1#11.1 H2#21.1 IC1#21.4 IC1#21.8 J3#18.1
Board_10-Net-(D1-A): D1#23.2 R1#10.2
Board_10-unconnected-(IC1-PGO-Pad5): IC1#21.5
Board_10-unconnected-(J1-Pin_1-Pad1): J1#15.1
Board_10-VDD: C1#10.1 C2#8.2 IC1#21.1 IC1#21.2 J1#15.2 J3#18.3 R1#10.1 R2#3.1 R3#6.1
Board_11-/OUT: IC1#16.3 J3#22.2
Board_11-/SCL: IC1#16.7 J1#25.4 R3#15.2
Board_11-/SDA: IC1#16.6 J1#25.3 R2#22.2
Board_11-GND: C1#15.2 C2#22.1 D1#18.1 H1#10.1 H2#17.1 IC1#16.4 IC1#16.8 J3#22.1
Board_11-Net-(D1-A): D1#18.2 R1#7.2
Board_11-unconnected-(IC1-PGO-Pad5): IC1#16.5
Board_11-unconnected-(J1-Pin_1-Pad1): J1#25.1
Board_11-VDD: C1#15.1 C2#22.2 IC1#16.1 IC1#16.2 J1#25.2 J3#22.3 R1#7.1 R2#22.1 R3#15.1
Board_12-/OUT: IC1#11.3 J3#4.2
Board_12-/SCL: IC1#11.7 J1#20.4 R3#16.2
Board_12-/SDA: IC1#11.6 J1#20.3 R2.2
Board_12-GND: C1#12.2 C2#10.1 D1#17.1 H1#18.1 H2#6.1 IC1#11.4 IC1#11.8 J3#4.1
Board_12-Net-(D1-A): D1#17.2 R1#3.2
Board_12-unconnected-(IC1-PGO-Pad5): IC1#11.5
Board_12-unconnected-(J1-Pin_1-Pad1): J1#20.1
Board_12-VDD: C1#12.1 C2#10.2 IC1#11.1 IC1#11.2 J1#20.2 J3#4.3 R1#3.1 R2.1 R3#16.1
Board_13-/OUT: IC1#18.3 J3#15.2
Board_13-/SCL: IC1#18.7 J1#7.4 R3#10.2
Board_13-/SDA: IC1#18.6 J1#7.3 R2#12.2
Board_13-GND: C1#16.2 C2#11.1 D1#5.1 H1#14.1 H2#4.1 IC1#18.4 IC1#18.8 J3#15.1
Board_13-Net-(D1-A): D1#5.2 R1#18.2
Board_13-unconnected-(IC1-PGO-Pad5): IC1#18.5
Board_13-unconnected-(J1-Pin_1-Pad1): J1#7.1
Board_13-VDD: C1#16.1 C2#11.2 IC1#18.1 IC1#18.2 J1#7.2 J3#15.3 R1#18.1 R2#12.1 R3#10.1
Board_14-/OUT: IC1#5.3 J3#16.2
Board_14-/SCL: IC1#5.7 J1#16.4 R3#11.2
Board_14-/SDA: IC1#5.6 J1#16.3 R2#14.2
Board_14-GND: C1#3.2 C2#7.1 D1#7.1 H1#4.1 H2#10.1 IC1#5.4 IC1#5.8 J3#16.1
Board_14-Net-(D1-A): D1#7.2 R1#24.2
Board_14-unconnected-(IC1-PGO-Pad5): IC1#5.5
Board_14-unconnected-(J1-Pin_1-Pad1): J1#16.1
Board_14-VDD: C1#3.1 C2#7.2 IC1#5.1 IC1#5.2 J1#16.2 J3#16.3 R1#24.1 R2#14.1 R3#11.1
Board_15-/OUT: IC1#9.3 J3#14.2
Board_15-/SCL: IC1#9.7 J1#22.4 R3.2
Board_15-/SDA: IC1#9.6 J1#22.3 R2#20.2
Board_15-GND: C1#19.2 C2#21.1 D1#16.1 H1#19.1 H2#5.1 IC1#9.4 IC1#9.8 J3#14.1
Board_15-Net-(D1-A): D1#16.2 R1#8.2
Board_15-unconnected-(IC1-PGO-Pad5): IC1#9.5
Board_15-unconnected-(J1-Pin_1-Pad1): J1#22.1
Board_15-VDD: C1#19.1 C2#21.2 IC1#9.1 IC1#9.2 J1#22.2 J3#14.3 R1#8.1 R2#20.1 R3.1
Board_16-/OUT: IC1#6.3 J3#7.2
Board_16-/SCL: IC1#6.7 J1#14.4 R3#13.2
Board_16-/SDA: IC1#6.6 J1#14.3 R2#10.2
Board_16-GND: C1#7.2 C2#2.1 D1#4.1 H1#5.1 H2#11.1 IC1#6.4 IC1#6.8 J3#7.1
Board_16-Net-(D1-A): D1#4.2 R1#6.2
Board_16-unconnected-(IC1-PGO-Pad5): IC1#6.5
Board_16-unconnected-(J1-Pin_1-Pad1): J1#14.1
Board_16-VDD: C1#7.1 C2#2.2 IC1#6.1 IC1#6.2 J1#14.2 J3#7.3 R1#6.1 R2#10.1 R3#13.1
Board_17-/OUT: IC1#7.3 J3#23.2
Board_17-/SCL: IC1#7.7 J1#11.4 R3#22.2
Board_17-/SDA: IC1#7.6 J1#11.3 R2#19.2
Board_17-GND: C1#4.2 C2#15.1 D1#8.1 H1#3.1 H2#20.1 IC1#7.4 IC1#7.8 J3#23.1
Board_17-Net-(D1-A): D1#8.2 R1#22.2
Board_17-unconnected-(IC1-PGO-Pad5): IC1#7.5
Board_17-unconnected-(J1-Pin_1-Pad1): J1#11.1
Board_17-VDD: C1#4.1 C2#15.2 IC1#7.1 IC1#7.2 J1#11.2 J3#23.3 R1#22.1 R2#19.1 R3#22.1
Board_18-/OUT: IC1#14.3 J3#20.2
Board_18-/SCL: IC1#14.7 J1#21.4 R3#20.2
Board_18-/SDA: IC1#14.6 J1#21.3 R2#21.2
Board_18-GND: C1#6.2 C2#18.1 D1#22.1 H1#20.1 H2#25.1 IC1#14.4 IC1#14.8 J3#20.1
Board_18-Net-(D1-A): D1#22.2 R1#9.2
Board_18-unconnected-(IC1-PGO-Pad5): IC1#14.5
Board_18-unconnected-(J1-Pin_1-Pad1): J1#21.1
Board_18-VDD: C1#6.1 C2#18.2 IC1#14.1 IC1#14.2 J1#21.2 J3#20.3 R1#9.1 R2#21.1 R3#20.1
Board_19-/OUT: IC1#23.3 J3#5.2
Board_19-/SCL: IC1#23.7 J1#18.4 R3#19.2
Board_19-/SDA: IC1#23.6 J1#18.3 R2#23.2
Board_19-GND: C1#25.2 C2#25.1 D1#21.1 H1#9.1 H2#16.1 IC1#23.4 IC1#23.8 J3#5.1
Board_19-Net-(D1-A): D1#21.2 R1#14.2
Board_19-unconnected-(IC1-PGO-Pad5): IC1#23.5
Board_19-unconnected-(J1-Pin_1-Pad1): J1#18.1
Board_19-VDD: C1#25.1 C2#25.2 IC1#23.1 IC1#23.2 J1#18.2 J3#5.3 R1#14.1 R2#23.1 R3#19.1
Board_20-/OUT: IC1#22.3 J3#6.2
Board_20-/SCL: IC1#22.7 J1#23.4 R3#25.2
Board_20-/SDA: IC1#22.6 J1#23.3 R2#7.2
Board_20-GND: C1#21.2 C2#24.1 D1#6.1 H1#22.1 H2#9.1 IC1#22.4 IC1#22.8 J3#6.1
Board_20-Net-(D1-A): D1#6.2 R1#11.2
Board_20-unconnected-(IC1-PGO-Pad5): IC1#22.5
Board_20-unconnected-(J1-Pin_1-Pad1): J1#23.1
Board_20-VDD: C1#21.1 C2#24.2 IC1#22.1 IC1#22.2 J1#23.2 J3#6.3 R1#11.1 R2#7.1 R3#25.1
Board_21-/OUT: IC1#19.3 J3#17.2
Board_21-/SCL: IC1#19.7 J1#4.4 R3#4.2
Board_21-/SDA: IC1#19.6 J1#4.3 R2#4.2
Board_21-GND: C1#22.2 C2#16.1 D1#10.1 H1.1 H2#2.1 IC1#19.4 IC1#19.8 J3#17.1
Board_21-Net-(D1-A): D1#10.2 R1#16.2
Board_21-unconnected-(IC1-PGO-Pad5): IC1#19.5
Board_21-unconnected-(J1-Pin_1-Pad1): J1#4.1
Board_21-VDD: C1#22.1 C2#16.2 IC1#19.1 IC1#19.2 J1#4.2 J3#17.3 R1#16.1 R2#4.1 R3#4.1
Board_22-/OUT: IC1#24.3 J3#12.2
Board_22-/SCL: IC1#24.7 J1#6.4 R3#5.2
Board_22-/SDA: IC1#24.6 J1#6.3 R2#25.2
Board_22-GND: C1#9.2 C2#19.1 D1#24.1 H1#12.1 H2#8.1 IC1#24.4 IC1#24.8 J3#12.1
Board_22-Net-(D1-A): D1#24.2 R1#2.2
Board_22-unconnected-(IC1-PGO-Pad5): IC1#24.5
Board_22-unconnected-(J1-Pin_1-Pad1): J1#6.1
Board_22-VDD: C1#9.1 C2#19.2 IC1#24.1 IC1#24.2 J1#6.2 J3#12.3 R1#2.1 R2#25.1 R3#5.1
Board_23-/OUT: IC1#12.3 J3#3.2
Board_23-/SCL: IC1#12.7 J1#17.4 R3#21.2
Board_23-/SDA: IC1#12.6 J1#17.3 R2#6.2
Board_23-GND: C1#2.2 C2.1 D1#15.1 H1#7.1 H2#19.1 IC1#12.4 IC1#12.8 J3#3.1
Board_23-Net-(D1-A): D1#15.2 R1#23.2
Board_23-unconnected-(IC1-PGO-Pad5): IC1#12.5
Board_23-unconnected-(J1-Pin_1-Pad1): J1#17.1
Board_23-VDD: C1#2.1 C2.2 IC1#12.1 IC1#12.2 J1#17.2 J3#3.3 R1#23.1 R2#6.1 R3#21.1
Board_24-/OUT: IC1#4.3 J3#24.2
Board_24-/SCL: IC1#4.7 J1#12.4 R3#3.2
Board_24-/SDA: IC1#4.6 J1#12.3 R2#9.2
Board_24-GND: C1#20.2 C2#20.1 D1#25.1 H1#15.1 H2#13.1 IC1#4.4 IC1#4.8 J3#24.1
Board_24-Net-(D1-A): D1#25.2 R1#4.2
Board_24-unconnected-(IC1-PGO-Pad5): IC1#4.5
Board_24-unconnected-(J1-Pin_1-Pad1): J1#12.1
Board_24-VDD: C1#20.1 C2#20.2 IC1#4.1 IC1#4.2 J1#12.2 J3#24.3 R1#4.1 R2#9.1 R3#3.1

Pads without a net: J1 MP; J1#2 MP; J1#3 MP; J1#4 MP; J1#5 MP; J1#6 MP; J1#7 MP; J1#8 MP; J1#9 MP; J1#10 MP; J1#11 MP; J1#12 MP; J1#13 MP; J1#14 MP; J1#15 MP; J1#16 MP; J1#17 MP; J1#18 MP; J1#19 MP; J1#20 MP; J1#21 MP; J1#22 MP; J1#23 MP; J1#24 MP; J1#25 MP

## Via types
v1: diameter 0.6, hole 0.3, Top to Bottom, 250 vias

## Routing (per net, layer and track width the routed paths; a pad name or vN(x,y) marks a point on that pad's centre or on a via; arc(x,y) is an arc through that point)
Board_0-/OUT: length 9.1
  Bottom w0.2: J3#25.2 17.64,99.62 18.25,99.01 18.25,95.34 18.73,94.86 IC1#3.3
Board_0-/SCL: length 6.8
  Top w0.2: J1#8.4 19,94.63 v1(17.51,96.12)
  Bottom w0.2: v1(17.51,96.12) 17.5,96.13 IC1#3.7
Board_0-/SDA: length 5.1
  Top w0.2: J1#8.3 18,94.41 v1(17.56,94.85)
  Bottom w0.2: v1(17.56,94.85) 17.54,94.86 IC1#3.6
Board_0-GND: length 2.3
  Bottom w0.5: C2#9.1 21.46,93.59 IC1#3.4
  vias: v1(12.2,91.48) v1(12.55,99.61) v1(15,92.5) v1(15,91.81) v1(17.58,88.78) v1(22,100.79)
Board_0-VDD: length 24.8
  Top w0.5: 21.15,97.65 R2#8.1 R3#8.1 ; 21.15,97.65 21.81,96.99 v1(21.83,96.99) 21.83,96.97 22.21,96.59 22.21,96.57 22.44,96.34 R1.1 ; 21.15,97.65 v1(21.39,97.41) ; J3#25.3 20.18,100.94 18.99,99.76 C1#17.1 19.01,99.11 R3#8.1 ; R3#8.1 16.6,97.65 16.06,97.1 16.06,94.6 17,93.66 J1#8.2
  Bottom w0.5: IC1#3.1 21.38,97.4 v1(21.39,97.41) 21.81,96.99 v1(21.83,96.99) 22.02,96.8 C2#9.2 21.46,95.7 21.03,96.13 IC1#3.2
Board_1-/OUT: length 9.1
  Bottom w0.2: IC1#20.3 42.73,94.86 42.25,95.34 42.25,99.01 41.64,99.62 J3#2.2
Board_1-/SCL: length 6.8
  Top w0.2: J1.4 43,94.63 v1(41.51,96.12)
  Bottom w0.2: v1(41.51,96.12) 41.5,96.13 IC1#20.7
Board_1-/SDA: length 5.1
  Top w0.2: J1.3 42,94.41 v1(41.56,94.85)
  Bottom w0.2: IC1#20.6 41.54,94.86 v1(41.56,94.85)
Board_1-GND: length 2.3
  Bottom w0.5: C2#6.1 45.46,93.59 IC1#20.4
  vias: v1(36.2,91.48) v1(36.55,99.61) v1(39,92.5) v1(39,91.81) v1(41.58,88.78) v1(46,100.79)
Board_1-VDD: length 24.8
  Top w0.5: R3#23.1 43.01,99.11 C1#18.1 42.99,99.76 44.18,100.94 J3#2.3 ; R3#23.1 R2#24.1 45.15,97.65 ; R3#23.1 40.6,97.65 40.06,97.1 40.06,94.6 41,93.66 J1.2 ; 45.15,97.65 v1(45.39,97.41) ; 45.15,97.65 45.81,96.99 v1(45.83,96.99) 45.83,96.97 46.21,96.59 46.21,96.57 46.44,96.34 R1#20.1
  Bottom w0.5: IC1#20.1 45.38,97.4 v1(45.39,97.41) 45.81,96.99 v1(45.83,96.99) 46.02,96.8 C2#6.2 45.46,95.7 45.03,96.13 IC1#20.2
